# KiCad board rivasmario 96% Hotswap Rp2040.kicad_pcb
title: 65% RGB Keyboard PCB; date: 2024-08-29; rev: 1; company: https://www.instagram.com/pcbdesignengr
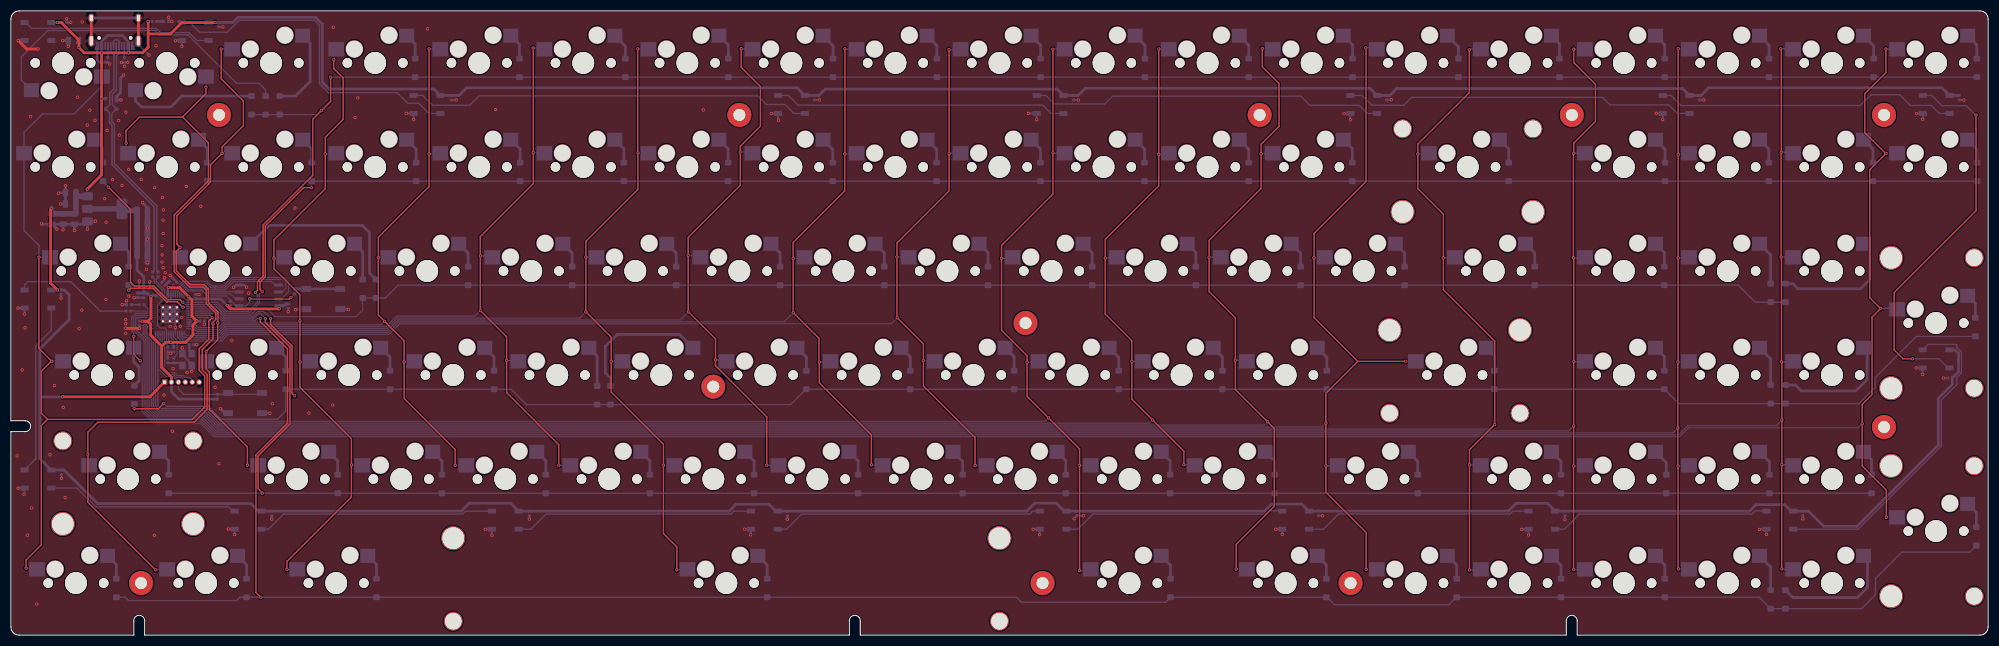
[diagram p0: board, top side]
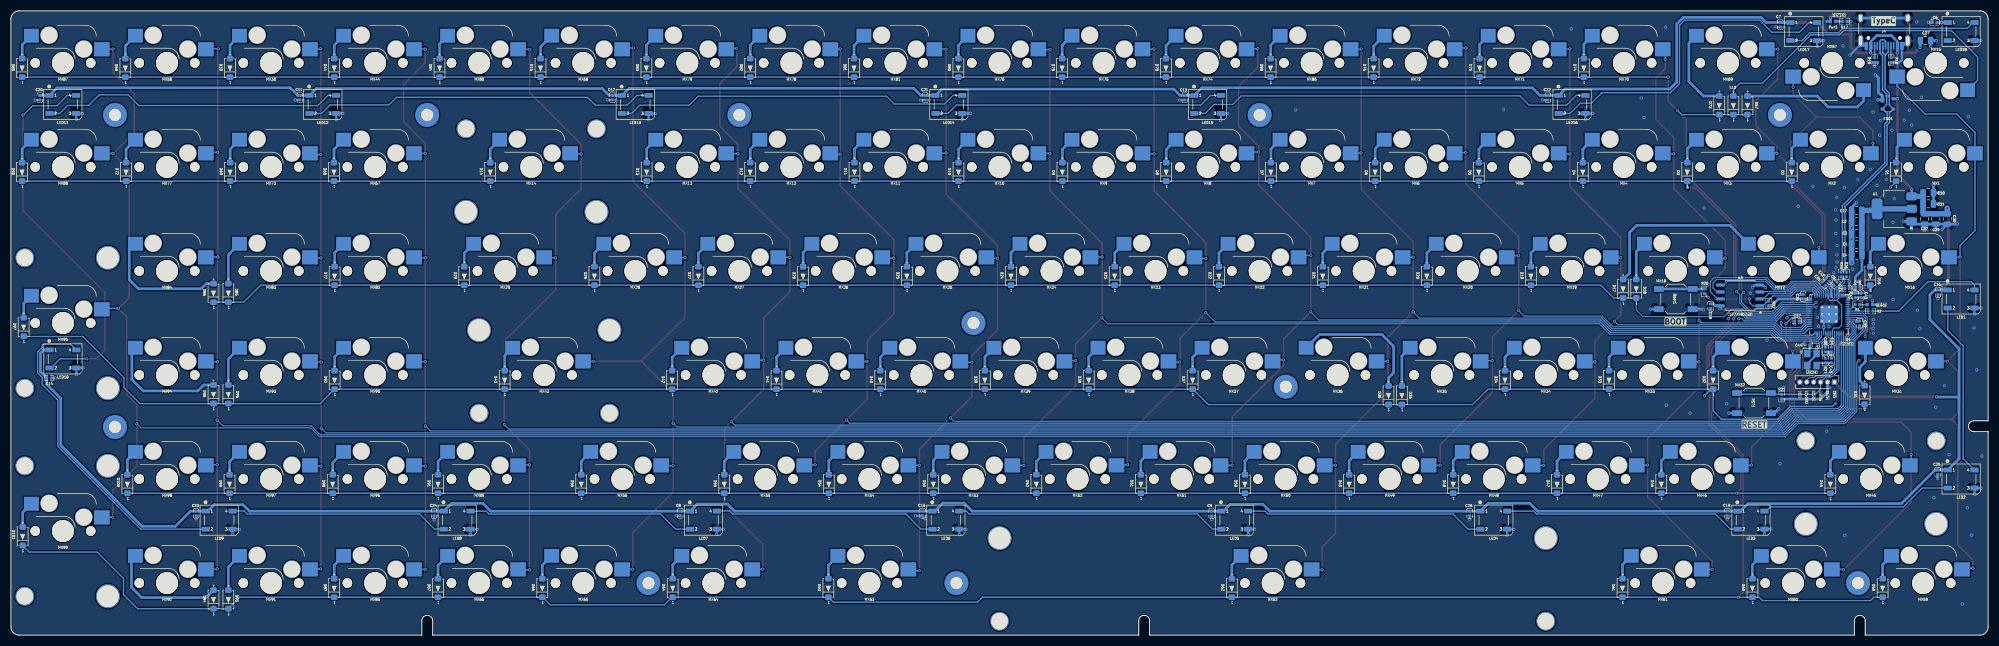
[diagram p1: board, bottom side, seen from below]

Outline 361.95 x 114.3 mm; copper layers: Top, Bottom. Coordinates in mm from the lower left corner of the outline.
Outline path: 0,1.49 0,37.25 2.62,37.25 arc(3.62,38.25) 2.62,39.25 0,39.25 0,112.8 arc(0.44,113.86) 1.5,114.3 360.45,114.3 arc(361.51,113.86) 361.95,112.8 361.95,1.49 arc(361.51,0.43) 360.45,0 286.74,0 286.74,2.62 arc(285.74,3.62) 284.74,2.62 284.74,0 155.49,0 155.49,2.62 arc(154.49,3.62) 153.49,2.62 153.49,0 24.49,0 24.49,2.62 arc(23.49,3.62) 22.49,2.62 22.49,0 1.5,0 arc(0.44,0.43) 0,1.49
Stack: Top 0.035mm / dielectric 1.51mm FR4 er 4.5 / Bottom 0.035mm

## Placement (name value [footprint] x y rotation side)
Boot1  SW_SPST  [K2-1187SQ-A4SW-06]  57.18 61.54 180 bottom
C1  10uf  [C_0805_2012Metric]  24.04 71.57 0 bottom
C2  100nf  [C_0805_2012Metric]  24.04 75.72 0 bottom
C3  10uf  [C_0805_2012Metric]  24.04 73.59 0 bottom
C4  100nf  [C_0805_2012Metric]  24.04 69.51 0 bottom
C5  100nf  [JLCPCB_C0402]  27.94 64.34 135 bottom
C6  100nf  [JLCPCB_C0402]  9.78 112.18 180 bottom
C7  100nf  [JLCPCB_C0402]  38.02 111.77 90 bottom
C8  100nf  [JLCPCB_C0402]  239.4 22.28 90 bottom
C9  100nf  [JLCPCB_C0402]  142.14 22.25 90 bottom
C10  10uf  [C_0805_2012Metric]  10.95 81 180 bottom
C11  100nf  [JLCPCB_C0402]  309.08 98.42 90 bottom
C12  100nf  [JLCPCB_C0402]  251.84 98.41 90 bottom
C13  100nf  [JLCPCB_C0402]  147.07 98.41 90 bottom
C14  100nf  [JLCPCB_C0402]  354.96 47.07 0 bottom
C15  100nf  [JLCPCB_C0402]  195.06 22.28 90 bottom
C16  100nf  [JLCPCB_C0402]  9.17 62.77 90 bottom
C17  10uf  [C_0805_2012Metric]  24.04 77.77 0 bottom
C18  100nf  [JLCPCB_C0402]  50.79 60.21 270 bottom
C19  100nf  [JLCPCB_C0402]  47.74 22.29 90 bottom
C20  100nf  [JLCPCB_C0402]  356.66 98.41 90 bottom
C21  100nf  [JLCPCB_C0402]  194.55 98.41 90 bottom
C22  100nf  [JLCPCB_C0402]  80.6 98.4 90 bottom
C23  100nf  [JLCPCB_C0402]  328.04 22.27 90 bottom
C24  100nf  [JLCPCB_C0402]  284.48 22.27 90 bottom
C25  100nf  [JLCPCB_C0402]  9.24 29.81 90 bottom
C26  100nf  [JLCPCB_C0402]  94.91 22.26 90 bottom
C27  10uf  [C_0805_2012Metric]  11.46 108.85 180 bottom
C29  10uf  [C_0805_2012Metric]  9.56 76.2 270 bottom
C30  100nf  [C_0805_2012Metric]  7.48 76.2 270 bottom
C31  10uf  [C_0805_2012Metric]  10.95 78.96 180 bottom
C32  100nf  [C_0805_2012Metric]  11.62 76.2 270 bottom
C33  1uf  [JLCPCB_C0402]  25.82 63.46 180 bottom
C34  100nf  [JLCPCB_C0402]  28.7 52.28 270 bottom
C35  100nf  [JLCPCB_C0402]  30.08 64.33 45 bottom
C36  100nf  [JLCPCB_C0402]  33.84 61.97 90 bottom
C37  100nf  [JLCPCB_C0402]  35.01 57.51 0 bottom
C38  100nf  [JLCPCB_C0402]  29.8 52.28 270 bottom
C39  100nf  [JLCPCB_C0402]  23.52 57.09 270 bottom
C40  100nf  [JLCPCB_C0402]  23.9 63.72 180 bottom
C41  100nf  [JLCPCB_C0402]  24.32 62.21 270 bottom
C42  100nf  [JLCPCB_C0402]  29.3 65.1 45 bottom
C43  1uf  [JLCPCB_C0402]  23.21 62.21 270 bottom
C44  22pf  [JLCPCB_C0402]  33.03 53.16 0 bottom
C45  22pf  [JLCPCB_C0402]  28.7 50.28 270 bottom
D1  1N4148W  [D_SOD-123]  16.84 84.83 90 bottom
D2  1N4148W  [D_SOD-123]  35.94 84.83 90 bottom
D3  1N4148W  [D_SOD-123]  55.06 84.83 90 bottom
D4  1N4148W  [D_SOD-123]  74.18 84.83 90 bottom
D5  1N4148W  [D_SOD-123]  93.22 84.83 90 bottom
D6  1N4148W  [D_SOD-123]  112.2 84.83 90 bottom
D7  1N4148W  [D_SOD-123]  131.29 84.83 90 bottom
D8  1N4148W  [D_SOD-123]  150.45 84.83 90 bottom
D9  1N4148W  [D_SOD-123]  169.46 84.83 90 bottom
D10  1N4148W  [D_SOD-123]  188.47 84.83 90 bottom
D11  1N4148W  [D_SOD-123]  207.52 84.83 90 bottom
D12  1N4148W  [D_SOD-123]  226.61 84.83 90 bottom
D13  1N4148W  [D_SOD-123]  245.56 84.83 90 bottom
D14  1N4148W  [D_SOD-123]  274.2 84.83 90 bottom
D15  1N4148W  [D_SOD-123]  264.99 103.88 90 bottom
D16  1N4148W  [D_SOD-123]  21.55 65.78 90 bottom
D17  1N4148W  [D_SOD-123]  66.8 63.43 90 bottom
D18  1N4148W  [D_SOD-123]  64.4 63.43 90 bottom
D19  1N4148W  [D_SOD-123]  83.69 65.78 90 bottom
D20  1N4148W  [D_SOD-123]  102.74 65.78 90 bottom
D21  1N4148W  [D_SOD-123]  121.79 65.78 90 bottom
D22  1N4148W  [D_SOD-123]  140.8 65.78 90 bottom
D23  1N4148W  [D_SOD-123]  159.89 65.78 90 bottom
D24  1N4148W  [D_SOD-123]  178.87 65.78 90 bottom
D25  1N4148W  [D_SOD-123]  197.93 65.78 90 bottom
D26  1N4148W  [D_SOD-123]  216.93 65.78 90 bottom
D27  1N4148W  [D_SOD-123]  236.09 65.78 90 bottom
D28  1N4148W  [D_SOD-123]  255.13 65.78 90 bottom
D29  1N4148W  [D_SOD-123]  278.96 65.78 90 bottom
D30  1N4148W  [D_SOD-123]  321.85 103.88 90 bottom
D31  1N4148W  [D_SOD-123]  22.6 43.98 90 bottom
D32  1N4148W  [D_SOD-123]  50.33 46.73 90 bottom
D33  1N4148W  [D_SOD-123]  69.39 46.73 90 bottom
D34  1N4148W  [D_SOD-123]  88.43 46.73 90 bottom
D35  1N4148W  [D_SOD-123]  107.31 43.91 90 bottom
D36  1N4148W  [D_SOD-123]  109.75 43.91 90 bottom
D37  1N4148W  [D_SOD-123]  145.62 46.73 90 bottom
D38  1N4148W  [D_SOD-123]  164.64 46.73 90 bottom
D39  1N4148W  [D_SOD-123]  183.65 46.73 90 bottom
D40  1N4148W  [D_SOD-123]  202.8 46.73 90 bottom
D41  1N4148W  [D_SOD-123]  221.79 46.73 90 bottom
D42  1N4148W  [D_SOD-123]  240.9 46.73 90 bottom
D43  1N4148W  [D_SOD-123]  271.56 46.73 90 bottom
D44  1N4148W  [D_SOD-123]  302.76 103.88 90 bottom
D45  1N4148W  [D_SOD-123]  28.87 27.68 90 bottom
D46  1N4148W  [D_SOD-123]  59.82 27.68 90 bottom
D47  1N4148W  [D_SOD-123]  78.91 27.68 90 bottom
D48  1N4148W  [D_SOD-123]  97.92 27.68 90 bottom
D49  1N4148W  [D_SOD-123]  116.97 27.68 90 bottom
D50  1N4148W  [D_SOD-123]  136.05 27.68 90 bottom
D51  1N4148W  [D_SOD-123]  155.1 27.68 90 bottom
D52  1N4148W  [D_SOD-123]  174.22 27.68 90 bottom
D53  1N4148W  [D_SOD-123]  193.1 27.68 90 bottom
D54  1N4148W  [D_SOD-123]  212.22 27.68 90 bottom
D55  1N4148W  [D_SOD-123]  231.36 27.68 90 bottom
D56  1N4148W  [D_SOD-123]  257.54 27.68 90 bottom
D57  1N4148W  [D_SOD-123]  44.04 97.01 90 bottom
D58  1N4148W  [D_SOD-123]  341 103.88 90 bottom
D59  1N4148W  [D_SOD-123]  19.3 8.63 90 bottom
D60  1N4148W  [D_SOD-123]  43.13 8.63 90 bottom
D61  1N4148W  [D_SOD-123]  66.92 8.63 90 bottom
D62  1N4148W  [D_SOD-123]  138.44 8.63 90 bottom
D63  1N4148W  [D_SOD-123]  212.29 8.63 90 bottom
D64  1N4148W  [D_SOD-123]  240.8 8.63 90 bottom
D66  1N4148W  [D_SOD-123]  264.67 8.63 90 bottom
D67  1N4148W  [D_SOD-123]  283.77 8.63 90 bottom
D68  1N4148W  [D_SOD-123]  302.81 84.83 90 bottom
D69  1N4148W  [D_SOD-123]  321.82 84.83 90 bottom
D71  1N4148W  [D_SOD-123]  46.62 97.01 90 bottom
D72  1N4148W  [D_SOD-123]  340.88 84.83 90 bottom
D73  1N4148W  [D_SOD-123]  49.2 97.01 90 bottom
D74  1N4148W  [D_SOD-123]  74 103.88 90 bottom
D75  1N4148W  [D_SOD-123]  93.09 103.88 90 bottom
D76  1N4148W  [D_SOD-123]  112.48 103.88 90 bottom
D77  1N4148W  [D_SOD-123]  302.69 65.78 90 bottom
D78  1N4148W  [D_SOD-123]  150.5 103.88 90 bottom
D79  1N4148W  [D_SOD-123]  169.51 103.88 90 bottom
D80  1N4148W  [D_SOD-123]  188.5 103.88 90 bottom
D81  1N4148W  [D_SOD-123]  207.61 103.88 90 bottom
D82  1N4148W  [D_SOD-123]  226.6 103.88 90 bottom
D83  1N4148W  [D_SOD-123]  245.61 103.88 90 bottom
D84  1N4148W  [D_SOD-123]  283.48 103.88 90 bottom
D85  1N4148W  [D_SOD-123]  322.14 62.66 90 bottom
D86  1N4148W  [D_SOD-123]  324.86 62.66 90 bottom
D87  1N4148W  [D_SOD-123]  302.77 8.63 90 bottom
D88  1N4148W  [D_SOD-123]  131.34 103.88 90 bottom
D89  1N4148W  [D_SOD-123]  359.89 103.88 90 bottom
D90  1N4148W  [D_SOD-123]  359.91 84.83 90 bottom
D91  1N4148W  [D_SOD-123]  283.76 27.68 90 bottom
D92  1N4148W  [D_SOD-123]  302.69 46.73 90 bottom
D93  1N4148W  [D_SOD-123]  322.14 6.53 90 bottom
D94  1N4148W  [D_SOD-123]  324.86 6.53 90 bottom
D95  1N4148W  [D_SOD-123]  322.14 44.1 90 bottom
D96  1N4148W  [D_SOD-123]  324.86 44.1 90 bottom
D97  1N4148W  [D_SOD-123]  359.61 56.42 90 bottom
D98  1N4148W  [D_SOD-123]  303.04 27.68 90 bottom
D99  1N4148W  [D_SOD-123]  321.92 27.68 90 bottom
D100  1N4148W  [D_SOD-123]  340.62 27.68 90 bottom
D101  1N4148W  [D_SOD-123]  359.8 18.09 90 bottom
ESD1  -  [PRTR5V0U2X]  18.33 97.27 270 bottom
H1  MountingHole  [MountingHole_2.2mm_M2_Pad]  38.1 95.25 0 top
H2  MountingHole  [MountingHole_2.2mm_M2_Pad]  342.9 95.25 0 top
H3  MountingHole  [MountingHole_2.2mm_M2_Pad]  128.57 45.48 0 top
H4  MountingHole  [MountingHole_2.2mm_M2_Pad]  228.6 95.25 0 top
H5  MountingHole  [MountingHole_2.2mm_M2_Pad]  185.74 57.15 0 top
H6  MountingHole  [MountingHole_2.2mm_M2_Pad]  133.35 95.25 0 top
H7  MountingHole  [MountingHole_2.2mm_M2_Pad]  342.9 38.1 0 top
H8  MountingHole  [MountingHole_2.2mm_M2_Pad]  245.24 9.53 0 top
H9  MountingHole  [MountingHole_2.2mm_M2_Pad]  23.82 9.53 0 top
H10  MountingHole  [MountingHole_2.2mm_M2_Pad]  188.86 9.53 0 top
H11  MountingHole  [MountingHole_2.2mm_M2_Pad]  285.75 95.25 0 top
J4  USB_C_Receptacle_USB2.0  [USB_C_Receptacle_HRO_TYPE-C-31-M-12]  19.02 111.95 0 bottom
J9  Screw_Terminal_01x06  [PinHeader_1x06_P1.27mm_Vertical]  28.12 46.32 270 bottom
LED1  WS2812B  [LED_WS2812B_PLCC4_5.0x5.0mm_P3.2mm]  4.93 61.54 180 bottom
LED2  WS2812B  [LED_WS2812B_PLCC4_5.0x5.0mm_P3.2mm]  4.93 28.58 180 bottom
LED3  WS2812B  [LED_WS2812B_PLCC4_5.0x5.0mm_P3.2mm]  43.4 21.04 180 bottom
LED4  WS2812B  [LED_WS2812B_PLCC4_5.0x5.0mm_P3.2mm]  90.49 21.04 180 bottom
LED5  WS2812B  [LED_WS2812B_PLCC4_5.0x5.0mm_P3.2mm]  137.92 21.04 180 bottom
LED6  WS2812B  [LED_WS2812B_PLCC4_5.0x5.0mm_P3.2mm]  190.79 21.04 180 bottom
LED7  WS2812B  [LED_WS2812B_PLCC4_5.0x5.0mm_P3.2mm]  235.17 21.04 180 bottom
LED8  WS2812B  [LED_WS2812B_PLCC4_5.0x5.0mm_P3.2mm]  280.26 21.04 180 bottom
LED9  WS2812B  [LED_WS2812B_PLCC4_5.0x5.0mm_P3.2mm]  323.82 21.04 180 bottom
LED10  WS2812B  [LED_WS2812B_PLCC4_5.0x5.0mm_P3.2mm]  352.43 50.57 180 bottom
LED11  WS2812B  [LED_WS2812B_PLCC4_5.0x5.0mm_P3.2mm]  352.45 97.17 180 bottom
LED12  WS2812B  [LED_WS2812B_PLCC4_5.0x5.0mm_P3.2mm]  304.85 97.17 180 bottom
LED13  WS2812B  [LED_WS2812B_PLCC4_5.0x5.0mm_P3.2mm]  247.65 97.17 180 bottom
LED14  WS2812B  [LED_WS2812B_PLCC4_5.0x5.0mm_P3.2mm]  190.24 97.17 180 bottom
LED15  WS2812B  [LED_WS2812B_PLCC4_5.0x5.0mm_P3.2mm]  142.88 97.17 180 bottom
LED16  WS2812B  [LED_WS2812B_PLCC4_5.0x5.0mm_P3.2mm]  76.16 97.17 180 bottom
LED17  WS2812B  [LED_WS2812B_PLCC4_5.0x5.0mm_P3.2mm]  33.73 110.52 180 bottom
LED18  WS2812B  [LED_WS2812B_PLCC4_5.0x5.0mm_P3.2mm]  4.93 110.52 180 bottom
MX1  MX-NoLED  [SW_Hotswap_Kailh_1.00u]  9.52 85.73 180 bottom
MX2  MX-NoLED  [SW_Hotswap_Kailh_1.00u]  28.57 85.73 180 bottom
MX3  MX-NoLED  [SW_Hotswap_Kailh_1.00u]  47.62 85.73 180 bottom
MX4  MX-NoLED  [SW_Hotswap_Kailh_1.00u]  66.68 85.73 180 bottom
MX5  MX-NoLED  [SW_Hotswap_Kailh_1.00u]  85.72 85.73 180 bottom
MX6  MX-NoLED  [SW_Hotswap_Kailh_1.00u]  104.77 85.73 180 bottom
MX7  MX-NoLED  [SW_Hotswap_Kailh_1.00u]  123.82 85.73 180 bottom
MX8  MX-NoLED  [SW_Hotswap_Kailh_1.00u]  142.88 85.73 180 bottom
MX9  MX-NoLED  [SW_Hotswap_Kailh_1.00u]  161.92 85.73 180 bottom
MX10  MX-NoLED  [SW_Hotswap_Kailh_1.00u]  180.97 85.73 180 bottom
MX11  MX-NoLED  [SW_Hotswap_Kailh_1.00u]  200.02 85.73 180 bottom
MX12  MX-NoLED  [SW_Hotswap_Kailh_1.00u]  219.07 85.73 180 bottom
MX13  MX-NoLED  [SW_Hotswap_Kailh_1.00u]  238.12 85.73 180 bottom
MX14  MX-NoLED  [SW_Hotswap_Kailh_1.00u]  266.7 85.73 180 bottom
MX15  MX-NoLED  [SW_Hotswap_Kailh_1.00u]  9.52 104.78 0 bottom
MX16  MX-NoLED  [SW_Hotswap_Kailh_1.00u]  14.29 66.68 180 bottom
MX17  MX-NoLED  [SW_Hotswap_Kailh_1.00u]  38.1 66.68 180 bottom
MX18  MX-NoLED  [SW_Hotswap_Kailh_1.00u]  57.15 66.68 180 bottom
MX19  MX-NoLED  [SW_Hotswap_Kailh_1.00u]  76.2 66.68 180 bottom
MX20  MX-NoLED  [SW_Hotswap_Kailh_1.00u]  95.25 66.68 180 bottom
MX21  MX-NoLED  [SW_Hotswap_Kailh_1.00u]  114.3 66.68 180 bottom
MX22  MX-NoLED  [SW_Hotswap_Kailh_1.00u]  133.35 66.68 180 bottom
MX23  MX-NoLED  [SW_Hotswap_Kailh_1.00u]  152.4 66.68 180 bottom
MX24  MX-NoLED  [SW_Hotswap_Kailh_1.00u]  171.45 66.68 180 bottom
MX25  MX-NoLED  [SW_Hotswap_Kailh_1.00u]  190.5 66.68 180 bottom
MX26  MX-NoLED  [SW_Hotswap_Kailh_1.00u]  209.55 66.68 180 bottom
MX27  MX-NoLED  [SW_Hotswap_Kailh_1.00u]  228.6 66.68 180 bottom
MX28  MX-NoLED  [SW_Hotswap_Kailh_1.00u]  247.65 66.68 180 bottom
MX29  MX-NoLED  [SW_Hotswap_Kailh_1.00u]  271.46 66.68 180 bottom
MX30  MX-NoLED  [SW_Hotswap_Kailh_1.00u]  314.32 104.78 180 bottom
MX31  MX-NoLED  [SW_Hotswap_Kailh_1.00u]  16.67 47.63 180 bottom
MX32  MX-NoLED  [SW_Hotswap_Kailh_1.00u]  42.86 47.63 180 bottom
MX33  MX-NoLED  [SW_Hotswap_Kailh_1.00u]  61.91 47.63 180 bottom
MX34  MX-NoLED  [SW_Hotswap_Kailh_1.00u]  80.96 47.63 180 bottom
MX35  MX-NoLED  [SW_Hotswap_Kailh_1.00u]  100.01 47.63 180 bottom
MX36  MX-NoLED  [SW_Hotswap_Kailh_1.00u]  119.06 47.63 180 bottom
MX37  MX-NoLED  [SW_Hotswap_Kailh_1.00u]  138.11 47.63 180 bottom
MX38  MX-NoLED  [SW_Hotswap_Kailh_1.00u]  157.16 47.63 180 bottom
MX39  MX-NoLED  [SW_Hotswap_Kailh_1.00u]  176.21 47.63 180 bottom
MX40  MX-NoLED  [SW_Hotswap_Kailh_1.00u]  195.26 47.63 180 bottom
MX41  MX-NoLED  [SW_Hotswap_Kailh_1.00u]  214.31 47.63 180 bottom
MX42  MX-NoLED  [SW_Hotswap_Kailh_1.00u]  233.36 47.63 180 bottom
MX43  MX-NoLED  [SW_Hotswap_Kailh_1.00u]  264.32 47.63 180 bottom
MX44  MX-NoLED  [SW_Hotswap_Kailh_1.00u]  295.27 104.78 180 bottom
MX45  MX-NoLED  [SW_Hotswap_Kailh_1.00u]  21.43 28.58 180 bottom
MX46  MX-NoLED  [SW_Hotswap_Kailh_1.00u]  52.39 28.58 180 bottom
MX47  MX-NoLED  [SW_Hotswap_Kailh_1.00u]  71.44 28.58 180 bottom
MX48  MX-NoLED  [SW_Hotswap_Kailh_1.00u]  90.49 28.58 180 bottom
MX49  MX-NoLED  [SW_Hotswap_Kailh_1.00u]  109.54 28.58 180 bottom
MX50  MX-NoLED  [SW_Hotswap_Kailh_1.00u]  128.59 28.58 180 bottom
MX51  MX-NoLED  [SW_Hotswap_Kailh_1.00u]  147.64 28.58 180 bottom
MX52  MX-NoLED  [SW_Hotswap_Kailh_1.00u]  166.69 28.58 180 bottom
MX53  MX-NoLED  [SW_Hotswap_Kailh_1.00u]  185.74 28.58 180 bottom
MX54  MX-NoLED  [SW_Hotswap_Kailh_1.00u]  204.79 28.58 180 bottom
MX55  MX-NoLED  [SW_Hotswap_Kailh_1.00u]  223.84 28.58 180 bottom
MX56  MX-NoLED  [SW_Hotswap_Kailh_1.00u]  250.03 28.58 180 bottom
MX57  MX-NoLED  [SW_Hotswap_Kailh_1.00u]  28.57 104.78 0 bottom
MX58  MX-NoLED  [SW_Hotswap_Kailh_1.00u]  333.38 104.78 180 bottom
MX59  MX-NoLED  [SW_Hotswap_Kailh_1.00u]  11.91 9.53 180 bottom
MX60  MX-NoLED  [SW_Hotswap_Kailh_1.00u]  35.73 9.53 180 bottom
MX61  MX-NoLED  [SW_Hotswap_Kailh_1.00u]  59.54 9.53 180 bottom
MX62  MX-NoLED  [SW_Hotswap_Kailh_1.00u]  130.97 9.53 180 bottom
MX63  MX-NoLED  [SW_Hotswap_Kailh_1.00u]  204.79 9.53 180 bottom
MX64  MX-NoLED  [SW_Hotswap_Kailh_1.00u]  233.36 9.53 180 bottom
MX65  MX-NoLED  [SW_Hotswap_Kailh_1.00u]  257.18 9.53 180 bottom
MX66  MX-NoLED  [SW_Hotswap_Kailh_1.00u]  276.22 9.53 180 bottom
MX67  MX-NoLED  [SW_Hotswap_Kailh_1.00u]  295.27 85.73 180 bottom
MX68  MX-NoLED  [SW_Hotswap_Kailh_1.00u]  257.18 104.78 180 bottom
MX69  MX-NoLED  [SW_Hotswap_Kailh_1.00u]  47.62 104.78 180 bottom
MX70  MX-NoLED  [SW_Hotswap_Kailh_1.00u]  66.68 104.78 180 bottom
MX71  MX-NoLED  [SW_Hotswap_Kailh_1.00u]  85.72 104.78 180 bottom
MX72  MX-NoLED  [SW_Hotswap_Kailh_1.00u]  104.77 104.78 180 bottom
MX73  MX-NoLED  [SW_Hotswap_Kailh_1.00u]  314.32 85.73 180 bottom
MX74  MX-NoLED  [SW_Hotswap_Kailh_1.00u]  142.88 104.78 180 bottom
MX75  MX-NoLED  [SW_Hotswap_Kailh_1.00u]  161.92 104.78 180 bottom
MX76  MX-NoLED  [SW_Hotswap_Kailh_1.00u]  180.97 104.78 180 bottom
MX77  MX-NoLED  [SW_Hotswap_Kailh_1.00u]  333.38 85.73 180 bottom
MX78  MX-NoLED  [SW_Hotswap_Kailh_1.00u]  219.07 104.78 180 bottom
MX79  MX-NoLED  [SW_Hotswap_Kailh_1.00u]  238.12 104.78 180 bottom
MX80  MX-NoLED  [SW_Hotswap_Kailh_1.00u]  276.22 104.78 180 bottom
MX81  MX-NoLED  [SW_Hotswap_Kailh_1.00u]  200.02 104.78 180 bottom
MX82  MX-NoLED  [SW_Hotswap_Kailh_1.00u]  295.27 66.68 180 bottom
MX83  MX-NoLED  [SW_Hotswap_Kailh_1.00u]  314.32 66.68 180 bottom
MX84  MX-NoLED  [SW_Hotswap_Kailh_1.00u]  333.38 66.68 180 bottom
MX85  MX-NoLED  [SW_Hotswap_Kailh_1.00u]  295.27 9.53 180 bottom
MX86  MX-NoLED  [SW_Hotswap_Kailh_1.00u]  123.82 104.78 180 bottom
MX87  MX-NoLED  [SW_Hotswap_Kailh_1.00u]  352.43 104.78 180 bottom
MX88  MX-NoLED  [SW_Hotswap_Kailh_1.00u]  352.43 85.73 180 bottom
MX89  MX-NoLED  [SW_Hotswap_Kailh_1.00u]  276.22 28.58 180 bottom
MX90  MX-NoLED  [SW_Hotswap_Kailh_1.00u]  295.27 47.63 180 bottom
MX91  MX-NoLED  [SW_Hotswap_Kailh_1.00u]  314.32 9.53 180 bottom
MX92  MX-NoLED  [SW_Hotswap_Kailh_1.00u]  333.38 9.53 180 bottom
MX93  MX-NoLED  [SW_Hotswap_Kailh_1.00u]  314.32 47.63 180 bottom
MX94  MX-NoLED  [SW_Hotswap_Kailh_1.00u]  333.38 47.63 180 bottom
MX95  MX-NoLED  [SW_Hotswap_Kailh_1.00u]  352.43 57.15 180 bottom
MX96  MX-NoLED  [SW_Hotswap_Kailh_1.00u]  295.27 28.58 180 bottom
MX97  MX-NoLED  [SW_Hotswap_Kailh_1.00u]  314.32 28.58 180 bottom
MX98  MX-NoLED  [SW_Hotswap_Kailh_1.00u]  333.38 28.58 180 bottom
MX99  MX-NoLED  [SW_Hotswap_Kailh_1.00u]  352.43 19.05 180 bottom
Pwr1  LED  [LED_0402_1005Metric]  28.4 112.38 180 bottom
R1  470  [JLCPCB_R0402]  23.92 60.5 180 bottom
R2  470  [JLCPCB_R0402]  21.52 59.33 180 bottom
R17  470  [JLCPCB_R0402]  26.26 112.39 0 bottom
R18  5.1K  [JLCPCB_R0402]  17.74 105.31 90 bottom
R19  5.1K  [JLCPCB_R0402]  20.76 105.31 90 bottom
R20  1k  [JLCPCB_R0402]  51.97 62.96 270 bottom
R21  10k  [JLCPCB_R0402]  37.79 43.65 90 bottom
R22  10k  [JLCPCB_R0402]  40.19 60.71 270 bottom
R25  22  [JLCPCB_R0402]  26.92 66.04 90 bottom
R26  22  [JLCPCB_R0402]  25.95 66.04 90 bottom
R27  1k  [JLCPCB_R0402]  29.8 50.28 90 bottom
RST1  SW_SPST  [K2-1187SQ-A4SW-06]  42.86 42.49 180 bottom
ST1  MX-Stabiliser  [Stabilizer_Cherry_MX_2.00u_kbd]  266.7 85.73 0 top
ST2  MX-Stabiliser  [Stabilizer_Cherry_MX_2.00u_kbd]  264.32 47.63 180 top
ST3  MX-Stabiliser  [Stabilizer_Cherry_MX_2.00u_kbd]  21.43 28.58 0 top
ST4  MX-Stabiliser  [Stabilizer_Cherry_MX_6.25u_kbd]  130.97 9.53 180 top
ST5  MX-Stabiliser  [Stabilizer_Cherry_MX_2.00u_kbd]  352.43 57.15 270 top
ST7  MX-Stabiliser  [Stabilizer_Cherry_MX_2.00u_kbd]  352.43 19.05 270 top
Test1  LED  [LED_0402_1005Metric]  21.64 60.5 0 bottom
U1  AMS1117-3.3  [SOT-223-3_TabPin2]  17.17 78.05 0 bottom
U3  W25Q128JVS  [SOIC-8_5.23x5.23mm_P1.27mm]  45.4 62.2 0 bottom
U4  RP2040  [RP2040-QFN-56]  29.1 58.74 180 bottom
Y1  12MHz  [Crystal_SMD_3225-4Pin_3.2x2.5mm]  32.24 50.46 270 bottom

## Library data of the parts
Boot1 RST1 = -: JLCPCB Part #: C92584
C1-C4 C10 C17 C27 C29-C32 = -: ki_fp_filters: C_*
C5-C9 C11-C16 C18-C26 C34-C42 = -: JLCPCB Part #: C77020; ki_fp_filters: C_*
C33 C43 = -: JLCPCB Part #: C1518208; ki_fp_filters: C_*
C44 C45 = -: JLCPCB Part #: C1555; ki_fp_filters: C_*
D1-D64 D66-D69 D71-D101 = -: Datasheet: https://www.vishay.com/docs/85748/1n4148w.pdf; ki_fp_filters: D*SOD?123*
ESD1 = -: JLCPCB Part #: C2827688; ki_fp_filters: SOT?143*
H1-H11 = -: ki_fp_filters: MountingHole*
J4 = -: Datasheet: https://www.usb.org/sites/default/files/documents/usb_type-c.zip; JLCPCB Part #: C165948; ki_fp_filters: USB*C*Receptacle*
J9 = -: ki_fp_filters: TerminalBlock*:*
LED1-LED18 = -: Datasheet: https://cdn-shop.adafruit.com/datasheets/WS2812B.pdf; Description: RGB LED with integrated controller; JLCPCB Part #: C2761795; ki_fp_filters: LED*WS2812*PLCC*5.0x5.0mm*P3.2mm*
MX1-MX99 = -: JLCPCB Part #: C41430893
Pwr1 Test1 = -: JLCPCB Part #: C131223; ki_fp_filters: LED* LED_SMD:* LED_THT:*
R1 R2 R17-R22 R25-R27 = -: ki_fp_filters: R_*
U1 = -: Datasheet: http://www.advanced-monolithic.com/pdf/ds1117.pdf; Description: 1A Low Dropout regulator, positive, 3.3V fixed output, SOT-223; JLCPCB Part #: C6186; ki_fp_filters: SOT?223*TabPin2*
U3 = -: Datasheet: http://www.winbond.com/resource-files/w25q128jv_dtr%20revc%2003272018%20plus.pdf; JLCPCB Part #: C97521; ki_fp_filters: SOIC*5.23x5.23mm*P1.27mm*
U4 = -: Datasheet: https://datasheet.lcsc.com/lcsc/2201101600_Raspberry-Pi-RP2040_C2040.pdf; JLCPCB Part #: C2040
Y1 = -: ki_fp_filters: Crystal*

## Footprints (pads in the part's own frame, mm; a bottom-side part is the same pattern mirrored in y, then rotated)
C_0805_2012Metric
  rrect 1x1.45 smd: 1(-0.95,0) 2(0.95,0)
Crystal_SMD_3225-4Pin_3.2x2.5mm
  rect 1.4x1.2 smd: 1(-1.1,-0.85) 2(1.1,-0.85) 3(1.1,0.85) 4(-1.1,0.85)
D_SOD-123
  rrect 1.1x1.22 smd: 1(-1.7,0) 2(1.7,0)
JLCPCB_C0402
  rect 0.5x0.54 smd: 1(-0.42,0) 2(0.42,0)
JLCPCB_R0402
  rect 0.566x0.54 smd: 1(-0.433,0) 2(0.433,0)
K2-1187SQ-A4SW-06
  rect 1.8x1.1 smd: 1(-3.1,1.85) 1(3.1,1.85) 2(-3.1,-1.85) 2(3.1,-1.85)
LED_0402_1005Metric
  rrect 0.59x0.64 smd: 1(-0.485,0) 2(0.485,0)
LED_WS2812B_PLCC4_5.0x5.0mm_P3.2mm
  rrect 1.5x0.9 smd: 1(-2.45,1.65) 2(-2.45,-1.65) 3(2.45,-1.65) 4(2.45,1.65)
MountingHole_2.2mm_M2_Pad
  round 4.4 hole 2.2: 1(0,0)
PinHeader_1x06_P1.27mm_Vertical
  rect 1x1 hole 0.65: 1(0,0)
  round 1 hole 0.65: 2(0,-1.27) 3(0,-2.54) 4(0,-3.81) 5(0,-5.08) 6(0,-6.35)
PRTR5V0U2X
  rect 1x0.7 smd: 1(-0.75,-1)
  rect 0.6x0.7 smd: 2(0.95,-1) 3(0.95,1) 4(-0.95,1)
RP2040-QFN-56
  rrect 1.084x1.084 smd: (-0.637,-0.637) (-0.637,0.637) (0.637,-0.637) (0.637,0.637)
  rrect 0.875x0.2 smd: 1(-3.438,2.6) 2(-3.438,2.2) 3(-3.438,1.8) 4(-3.438,1.4) 5(-3.438,1) 6(-3.438,0.6) 7(-3.438,0.2) 8(-3.438,-0.2) 9(-3.438,-0.6) 10(-3.438,-1) 11(-3.438,-1.4) 12(-3.438,-1.8) 13(-3.438,-2.2) 14(-3.438,-2.6) 29(3.438,-2.6) 30(3.438,-2.2) 31(3.438,-1.8) 32(3.438,-1.4) 33(3.438,-1) 34(3.438,-0.6) 35(3.438,-0.2) 36(3.438,0.2) 37(3.438,0.6) 38(3.438,1) 39(3.438,1.4) 40(3.438,1.8) 41(3.438,2.2) 42(3.438,2.6)
  rrect 0.2x0.875 smd: 15(-2.6,-3.438) 16(-2.2,-3.438) 17(-1.8,-3.438) 18(-1.4,-3.438) 19(-1,-3.438) 20(-0.6,-3.438) 21(-0.2,-3.438) 22(0.2,-3.438) 23(0.6,-3.438) 24(1,-3.438) 25(1.4,-3.438) 26(1.8,-3.438) 27(2.2,-3.438) 28(2.6,-3.438) 43(2.6,3.438) 44(2.2,3.438) 45(1.8,3.438) 46(1.4,3.438) 47(1,3.438) 48(0.6,3.438) 49(0.2,3.438) 50(-0.2,3.438) 51(-0.6,3.438) 52(-1,3.438) 53(-1.4,3.438) 54(-1.8,3.438) 55(-2.2,3.438) 56(-2.6,3.438)
  round 0.6 hole 0.35: 57(-1.275,-1.275) 57(-1.275,0) 57(-1.275,1.275) 57(0,-1.275) 57(0,0) 57(0,1.275) 57(1.275,-1.275) 57(1.275,0) 57(1.275,1.275)
  rrect 3.2x3.2 smd: 57(0,0)
SOIC-8_5.23x5.23mm_P1.27mm
  rrect 1.6x0.6 smd: 1(-3.6,1.905) 2(-3.6,0.635) 3(-3.6,-0.635) 4(-3.6,-1.905) 5(3.6,-1.905) 6(3.6,-0.635) 7(3.6,0.635) 8(3.6,1.905)
SOT-223-3_TabPin2
  rrect 2x1.5 smd: 1(-3.15,2.3) 2(-3.15,0) 3(-3.15,-2.3)
  rrect 2x3.8 smd: 2(3.15,0)
Stabilizer_Cherry_MX_2.00u_kbd
  round 3.448 hole 3.048 unplated: (-11.938,6.985) (11.938,6.985)
  round 4.388 hole 3.988 unplated: (-11.938,-8.225) (11.938,-8.225)
Stabilizer_Cherry_MX_6.25u_kbd
  round 3.448 hole 3.048 unplated: (-50,6.985) (50,6.985)
  round 4.388 hole 3.988 unplated: (-50,-8.225) (50,-8.225)
SW_Hotswap_Kailh_1.00u
  round 1.75 hole 1.75 unplated: (-5.08,0) (5.08,0)
  round 3.25 hole 3.05 unplated: (-2.54,5.08) (3.81,2.54)